# Altium PCB STM32F207VC.PcbDoc (part 2 of 16) (continued)
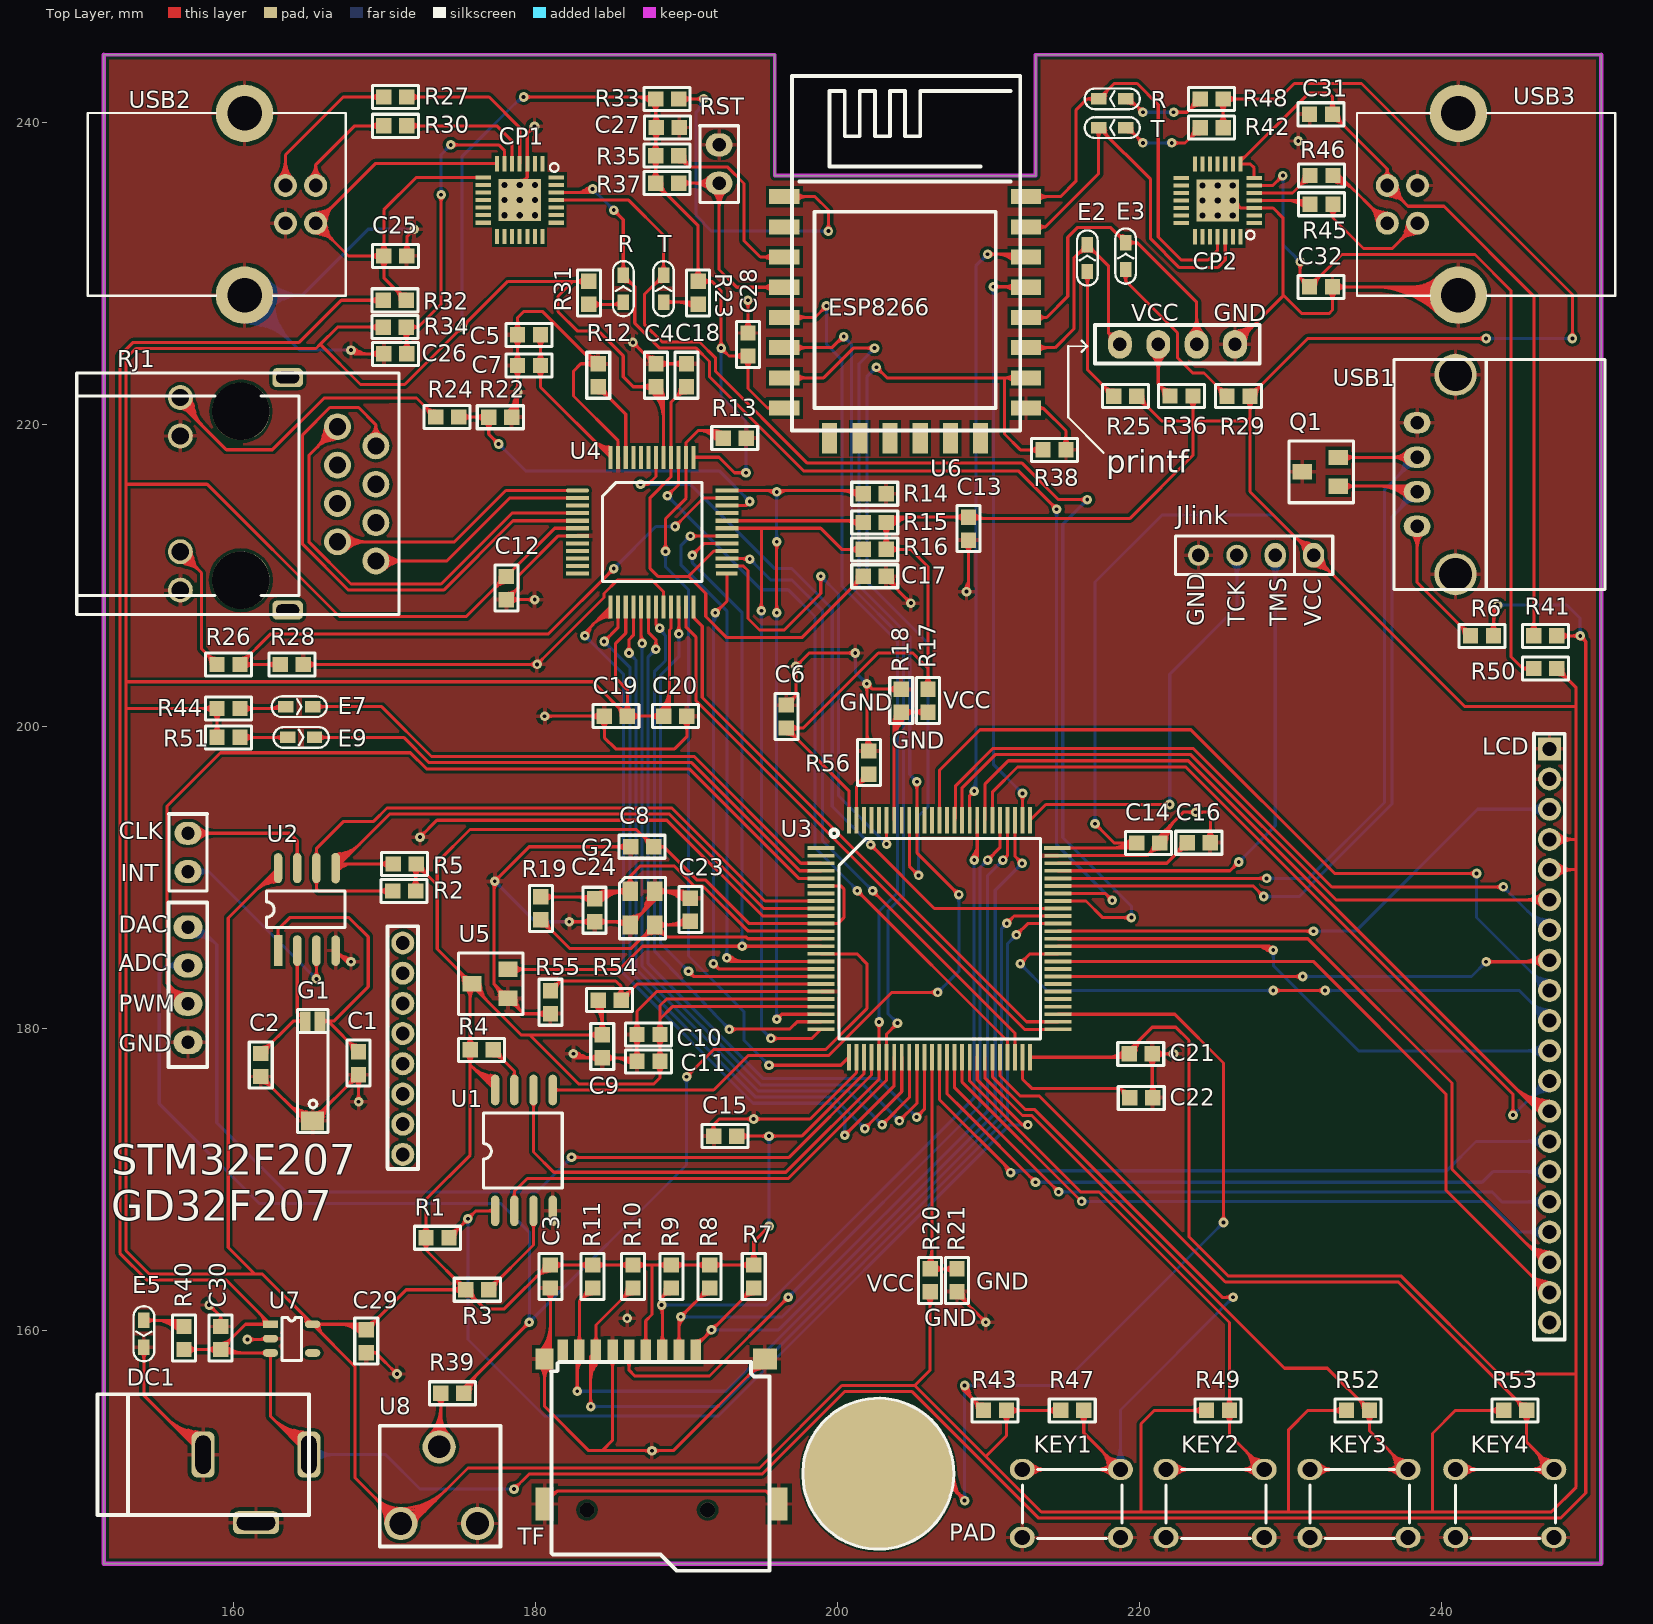
[diagram p0: Top Layer view]
## Nets (pads, with @x,y where several pads share a name; then routed paths per layer and width w, separated by ;. In a path a pad name is that pad's centre, name@x,y a point inside that pad or via, vN(x,y) a via of type N, cw(c..) or ccw(c..) an arc to the next point about the centre after c; other vN are vias at no path point) (continued)
ETH_CRS: R14.2 U3.23 U4.36 | length 88.7
  Top Layer w0.203: U4.36@192.668,215.612 v1@195.961,215.612 ; v1(195.961,180.594) 196.295,180.928 ; v1(195.961,207.518) v1(195.961,212.217) ; v1(195.961,215.519) v1@195.961,215.612 ; U3.23@198.895,180.928 196.295,180.928 ; 195.215,215.612 cw(c195.215,214.773) v1@195.808,215.366 ; 195.215,215.612 cw(c195.215,214.773) v1@195.808,215.366 ; 195.215,215.612 cw(c195.215,214.773) v1@195.808,215.366 ; 195.215,215.612 cw(c195.215,214.773) v1@195.808,215.366 ; v1@195.808,207.671 ccw(c195.44,208.039) 195.961,208.039 ; v1@195.808,207.671 ccw(c195.44,208.039) 195.961,208.039 ; v1@195.808,207.671 ccw(c195.44,208.039) 195.961,208.039 ; v1@195.808,207.671 ccw(c195.44,208.039) 195.961,208.039 ; v1@195.808,212.064 cw(c195.44,211.696) 195.961,211.696 ; v1@195.808,212.064 cw(c195.44,211.696) 195.961,211.696 ; v1@195.808,212.064 cw(c195.44,211.696) 195.961,211.696 ; v1@195.808,212.064 cw(c195.44,211.696) 195.961,211.696 ; 195.961,208.039 ccw(c196.482,208.039) v1@196.114,207.671 ; 195.961,208.039 ccw(c196.482,208.039) v1@196.114,207.671 ; 195.961,208.039 ccw(c196.482,208.039) v1@196.114,207.671 ; 195.961,208.039 ccw(c196.482,208.039) v1@196.114,207.671 ; 195.961,211.696 cw(c196.482,211.696) v1@196.114,212.064 ; 195.961,211.696 cw(c196.482,211.696) v1@196.114,212.064 ; 195.961,211.696 cw(c196.482,211.696) v1@196.114,212.064 ; 195.961,211.696 cw(c196.482,211.696) v1@196.114,212.064 ; v1@195.961,215.612 201.479,215.612 R14.2@201.693,215.398 ; v1@195.977,180.809 ccw(c196.006,181.217) 196.295,180.928 ; v1@195.977,180.809 ccw(c196.006,181.217) 196.295,180.928 ; v1@195.977,180.809 ccw(c196.006,181.217) 196.295,180.928 ; v1@195.977,180.809 ccw(c196.006,181.217) 196.295,180.928 ; v1@196.114,215.366 cw(c196.707,214.773) 196.707,215.612 ; v1@196.114,215.366 cw(c196.707,214.773) 196.707,215.612 ; v1@196.114,215.366 cw(c196.707,214.773) 196.707,215.612 ; v1@196.114,215.366 cw(c196.707,214.773) 196.707,215.612 ; v1@196.176,180.61 cw(c196.584,180.639) 196.295,180.928 ; v1@196.176,180.61 cw(c196.584,180.639) 196.295,180.928 ; v1@196.176,180.61 cw(c196.584,180.639) 196.295,180.928 ; v1@196.176,180.61 cw(c196.584,180.639) 196.295,180.928 ; 200.195,215.612 cw(c200.195,213.9) R14.2@201.406,215.111 ; 200.195,215.612 cw(c200.195,213.9) R14.2@201.406,215.111 ; 200.195,215.612 cw(c200.195,213.9) R14.2@201.406,215.111 ; 200.195,215.612 cw(c200.195,213.9) R14.2@201.406,215.111 ; 200.686,215.612 cw(c200.686,214.39) R14.2@201.55,215.254 ; 200.686,215.612 cw(c200.686,214.39) R14.2@201.55,215.254 ; 200.686,215.612 cw(c200.686,214.39) R14.2@201.55,215.254 ; 200.686,215.612 cw(c200.686,214.39) R14.2@201.55,215.254 ; 201.156,215.482 cw(c201,215.212) R14.2@201.301,215.293 ; 201.156,215.482 cw(c201,215.212) R14.2@201.301,215.293 ; 201.156,215.482 cw(c201,215.212) R14.2@201.301,215.293 ; 201.156,215.482 cw(c201,215.212) R14.2@201.301,215.293 ; 201.156,215.482 cw(c201,215.212) R14.2@201.301,215.293 ; 201.156,215.482 cw(c201,215.212) R14.2@201.301,215.293 ; 201.176,215.612 cw(c201.176,214.881) R14.2@201.693,215.398 ; 201.176,215.612 cw(c201.176,214.881) R14.2@201.693,215.398 ; 201.176,215.612 cw(c201.176,214.881) R14.2@201.693,215.398 ; 201.176,215.612 cw(c201.176,214.881) R14.2@201.693,215.398 ; R14.2@201.229,215.612 ccw(c201.229,215.862) R14.2@201.406,215.685 ; R14.2@201.229,215.612 ccw(c201.229,215.862) R14.2@201.406,215.685 ; R14.2@201.229,215.612 ccw(c201.229,215.862) R14.2@201.406,215.685 ; R14.2@201.229,215.612 ccw(c201.229,215.862) R14.2@201.406,215.685
  Bottom Layer w0.203: v1(195.961,180.594) v1(195.961,207.518) ; v1(195.961,212.217) v1(195.961,215.519) ; v1@195.808,180.747 ccw(c195.44,181.115) 195.961,181.115 ; v1@195.808,180.747 ccw(c195.44,181.115) 195.961,181.115 ; v1@195.808,180.747 ccw(c195.44,181.115) 195.961,181.115 ; v1@195.808,180.747 ccw(c195.44,181.115) 195.961,181.115 ; v1@195.808,207.365 cw(c195.44,206.997) 195.961,206.997 ; v1@195.808,207.365 cw(c195.44,206.997) 195.961,206.997 ; v1@195.808,207.365 cw(c195.44,206.997) 195.961,206.997 ; v1@195.808,207.365 cw(c195.44,206.997) 195.961,206.997 ; v1@195.808,212.37 ccw(c195.44,212.738) 195.961,212.738 ; v1@195.808,212.37 ccw(c195.44,212.738) 195.961,212.738 ; v1@195.808,212.37 ccw(c195.44,212.738) 195.961,212.738 ; v1@195.808,212.37 ccw(c195.44,212.738) 195.961,212.738 ; v1@195.808,215.366 cw(c195.44,214.998) 195.961,214.998 ; v1@195.808,215.366 cw(c195.44,214.998) 195.961,214.998 ; v1@195.808,215.366 cw(c195.44,214.998) 195.961,214.998 ; v1@195.808,215.366 cw(c195.44,214.998) 195.961,214.998 ; 195.961,181.115 ccw(c196.482,181.115) v1@196.114,180.747 ; 195.961,181.115 ccw(c196.482,181.115) v1@196.114,180.747 ; 195.961,181.115 ccw(c196.482,181.115) v1@196.114,180.747 ; 195.961,181.115 ccw(c196.482,181.115) v1@196.114,180.747 ; 195.961,206.997 cw(c196.482,206.997) v1@196.114,207.365 ; 195.961,206.997 cw(c196.482,206.997) v1@196.114,207.365 ; 195.961,206.997 cw(c196.482,206.997) v1@196.114,207.365 ; 195.961,206.997 cw(c196.482,206.997) v1@196.114,207.365 ; 195.961,212.738 ccw(c196.482,212.738) v1@196.114,212.37 ; 195.961,212.738 ccw(c196.482,212.738) v1@196.114,212.37 ; 195.961,212.738 ccw(c196.482,212.738) v1@196.114,212.37 ; 195.961,212.738 ccw(c196.482,212.738) v1@196.114,212.37 ; 195.961,214.998 cw(c196.482,214.998) v1@196.114,215.366 ; 195.961,214.998 cw(c196.482,214.998) v1@196.114,215.366 ; 195.961,214.998 cw(c196.482,214.998) v1@196.114,215.366 ; 195.961,214.998 cw(c196.482,214.998) v1@196.114,215.366
ETH_MDC: U3.16 U4.30 | length 65
  Top Layer w0.203: v1(190.246,212.598) 192.654,212.598 U4.30@192.668,212.612 ; v1(192.659,184.658) 192.889,184.428 ; U3.16@198.895,184.428 192.889,184.428 ; v1@190.399,212.445 cw(c190.767,212.077) 190.767,212.598 ; v1@190.399,212.445 cw(c190.767,212.077) 190.767,212.598 ; v1@190.399,212.445 cw(c190.767,212.077) 190.767,212.598 ; v1@190.399,212.445 cw(c190.767,212.077) 190.767,212.598 ; v1@190.399,212.751 ccw(c190.767,213.119) 190.767,212.598 ; v1@190.399,212.751 ccw(c190.767,213.119) 190.767,212.598 ; v1@190.399,212.751 ccw(c190.767,213.119) 190.767,212.598 ; v1@190.399,212.751 ccw(c190.767,213.119) 190.767,212.598 ; v1@192.667,184.648 cw(c192.876,184.395) 193.039,184.679 ; v1@192.667,184.648 cw(c192.876,184.395) 193.039,184.679 ; v1@192.667,184.648 cw(c192.876,184.395) 193.039,184.679 ; v1@192.667,184.648 cw(c192.876,184.395) 193.039,184.679 ; v1@192.667,184.648 cw(c192.876,184.395) 193.039,184.679 ; v1@192.667,184.648 cw(c192.876,184.395) 193.039,184.679 ; v1@192.668,184.667 ccw(c193.245,185.244) 193.245,184.428 ; v1@192.668,184.667 ccw(c193.245,185.244) 193.245,184.428 ; v1@192.668,184.667 ccw(c193.245,185.244) 193.245,184.428 ; v1@192.668,184.667 ccw(c193.245,185.244) 193.245,184.428 ; v1@192.74,184.458 cw(c192.792,184.331) 192.889,184.428 ; v1@192.74,184.458 cw(c192.792,184.331) 192.889,184.428 ; v1@192.74,184.458 cw(c192.792,184.331) 192.889,184.428 ; v1@192.74,184.458 cw(c192.792,184.331) 192.889,184.428 ; v1@192.758,184.466 cw(c192.887,184.215) 193.028,184.459 ; v1@192.758,184.466 cw(c192.887,184.215) 193.028,184.459 ; v1@192.758,184.466 cw(c192.887,184.215) 193.028,184.459 ; v1@192.758,184.466 cw(c192.887,184.215) 193.028,184.459 ; v1@192.758,184.466 cw(c192.887,184.215) 193.028,184.459 ; v1@192.758,184.466 cw(c192.887,184.215) 193.028,184.459 ; v1@192.796,184.491 cw(c193.074,184.154) 193.293,184.533 ; v1@192.796,184.491 cw(c193.074,184.154) 193.293,184.533 ; v1@192.796,184.491 cw(c193.074,184.154) 193.293,184.533 ; v1@192.796,184.491 cw(c193.074,184.154) 193.293,184.533 ; v1@192.796,184.491 cw(c193.074,184.154) 193.293,184.533 ; v1@192.796,184.491 cw(c193.074,184.154) 193.293,184.533 ; v1@192.812,184.811 ccw(c193.736,185.735) 193.736,184.428 ; v1@192.812,184.811 ccw(c193.736,185.735) 193.736,184.428 ; v1@192.812,184.811 ccw(c193.736,185.735) 193.736,184.428 ; v1@192.812,184.811 ccw(c193.736,185.735) 193.736,184.428 ; v1@192.859,184.577 ccw(c192.986,184.525) 192.889,184.428 ; v1@192.859,184.577 ccw(c192.986,184.525) 192.889,184.428 ; v1@192.859,184.577 ccw(c192.986,184.525) 192.889,184.428 ; v1@192.859,184.577 ccw(c192.986,184.525) 192.889,184.428 ; v1@192.873,184.688 ccw(c193.186,184.733) 193.028,184.459 ; v1@192.873,184.688 ccw(c193.186,184.733) 193.028,184.459 ; v1@192.873,184.688 ccw(c193.186,184.733) 193.028,184.459 ; v1@192.873,184.688 ccw(c193.186,184.733) 193.028,184.459 ; v1@192.873,184.688 ccw(c193.186,184.733) 193.028,184.459 ; v1@192.873,184.688 ccw(c193.186,184.733) 193.028,184.459
  Bottom Layer w0.203: v1(190.246,212.598) 189.611,211.963 189.611,210.693 192.659,207.645 v1(192.659,184.658) ; 189.877,212.229 cw(c190.246,211.861) v1@190.246,212.382 ; 189.877,212.229 ccw(c189.509,212.598) v1@190.03,212.598 ; 189.877,212.229 cw(c190.246,211.861) v1@190.246,212.382 ; 189.877,212.229 ccw(c189.509,212.598) v1@190.03,212.598 ; 189.877,212.229 ccw(c189.509,212.598) v1@190.03,212.598 ; 189.877,212.229 cw(c190.246,211.861) v1@190.246,212.382 ; 189.877,212.229 ccw(c189.509,212.598) v1@190.03,212.598 ; 189.877,212.229 cw(c190.246,211.861) v1@190.246,212.382 ; v1@192.506,184.811 ccw(c192.138,185.179) 192.659,185.179 ; v1@192.506,184.811 ccw(c192.138,185.179) 192.659,185.179 ; v1@192.506,184.811 ccw(c192.138,185.179) 192.659,185.179 ; v1@192.506,184.811 ccw(c192.138,185.179) 192.659,185.179 ; 192.659,185.179 ccw(c193.18,185.179) v1@192.812,184.811 ; 192.659,185.179 ccw(c193.18,185.179) v1@192.812,184.811 ; 192.659,185.179 ccw(c193.18,185.179) v1@192.812,184.811 ; 192.659,185.179 ccw(c193.18,185.179) v1@192.812,184.811
ETH_MDIO: R16.2 U3.25 U4.31 | length 66.5
  Top Layer w0.203: U4.31@192.668,213.112 194.945,213.112 ; v1(194.945,207.645) 194.945,213.112 ; v1(195.58,179.324) 198.291,179.324 U3.25@198.895,179.928 ; R16.2@201.693,211.715 200.273,211.715 198.876,213.112 194.945,213.112 ; v1@194.792,207.798 ccw(c194.424,208.166) 194.945,208.166 ; v1@194.792,207.798 ccw(c194.424,208.166) 194.945,208.166 ; v1@194.792,207.798 ccw(c194.424,208.166) 194.945,208.166 ; v1@194.792,207.798 ccw(c194.424,208.166) 194.945,208.166 ; 194.945,208.166 ccw(c195.466,208.166) v1@195.098,207.798 ; 194.945,208.166 ccw(c195.466,208.166) v1@195.098,207.798 ; 194.945,208.166 ccw(c195.466,208.166) v1@195.098,207.798 ; 194.945,208.166 ccw(c195.466,208.166) v1@195.098,207.798 ; v1@195.733,179.171 cw(c196.101,178.803) 196.101,179.324 ; v1@195.733,179.171 cw(c196.101,178.803) 196.101,179.324 ; v1@195.733,179.171 cw(c196.101,178.803) 196.101,179.324 ; v1@195.733,179.171 cw(c196.101,178.803) 196.101,179.324 ; v1@195.733,179.477 ccw(c196.101,179.845) 196.101,179.324 ; v1@195.733,179.477 ccw(c196.101,179.845) 196.101,179.324 ; v1@195.733,179.477 ccw(c196.101,179.845) 196.101,179.324 ; v1@195.733,179.477 ccw(c196.101,179.845) 196.101,179.324 ; 200.712,211.715 cw(c200.712,210.734) R16.2@201.406,211.428 ; 200.712,211.715 ccw(c200.712,212.696) R16.2@201.406,212.002 ; 200.712,211.715 cw(c200.712,210.734) R16.2@201.406,211.428 ; 200.712,211.715 ccw(c200.712,212.696) R16.2@201.406,212.002 ; 200.712,211.715 ccw(c200.712,212.696) R16.2@201.406,212.002 ; 200.712,211.715 cw(c200.712,210.734) R16.2@201.406,211.428 ; 200.712,211.715 ccw(c200.712,212.696) R16.2@201.406,212.002 ; 200.712,211.715 cw(c200.712,210.734) R16.2@201.406,211.428
  Bottom Layer w0.203: v1(194.945,207.645) 194.945,179.959 v1(195.58,179.324) ; v1@194.792,207.492 cw(c194.424,207.124) 194.945,207.124 ; v1@194.792,207.492 cw(c194.424,207.124) 194.945,207.124 ; v1@194.792,207.492 cw(c194.424,207.124) 194.945,207.124 ; v1@194.792,207.492 cw(c194.424,207.124) 194.945,207.124 ; 194.945,207.124 cw(c195.466,207.124) v1@195.098,207.492 ; 194.945,207.124 cw(c195.466,207.124) v1@195.098,207.492 ; 194.945,207.124 cw(c195.466,207.124) v1@195.098,207.492 ; 194.945,207.124 cw(c195.466,207.124) v1@195.098,207.492 ; 195.211,179.693 cw(c194.843,179.324) v1@195.364,179.324 ; 195.211,179.693 ccw(c195.58,180.061) v1@195.58,179.54 ; 195.211,179.693 cw(c194.843,179.324) v1@195.364,179.324 ; 195.211,179.693 ccw(c195.58,180.061) v1@195.58,179.54 ; 195.211,179.693 ccw(c195.58,180.061) v1@195.58,179.54 ; 195.211,179.693 cw(c194.843,179.324) v1@195.364,179.324 ; 195.211,179.693 ccw(c195.58,180.061) v1@195.58,179.54 ; 195.211,179.693 cw(c194.843,179.324) v1@195.364,179.324
ETH_RX_CLK: U3.24 U4.19 | length 47.1
  Top Layer w0.203: U4.19@187.965,207.909 187.965,206.751 ; v1(188.214,206.502) 187.965,206.751 ; v1(192.825,179.92) 192.851,179.946 196.837,179.946 197.319,180.428 U3.24@198.895,180.428 ; 187.965,206.751 cw(c187.839,206.624) v1@188.009,206.569 ; 187.965,206.751 ccw(c188.092,206.877) v1@188.147,206.707 ; 187.965,206.751 cw(c187.839,206.624) v1@188.009,206.569 ; 187.965,206.751 ccw(c188.092,206.877) v1@188.147,206.707 ; 187.965,206.751 ccw(c188.092,206.877) v1@188.147,206.707 ; 187.965,206.751 cw(c187.839,206.624) v1@188.009,206.569 ; 187.965,206.751 ccw(c188.092,206.877) v1@188.147,206.707 ; 187.965,206.751 cw(c187.839,206.624) v1@188.009,206.569 ; v1@192.978,179.767 cw(c193.41,179.335) 193.41,179.946 ; v1@192.978,179.767 cw(c193.41,179.335) 193.41,179.946 ; v1@192.978,179.767 cw(c193.41,179.335) 193.41,179.946 ; v1@192.978,179.767 cw(c193.41,179.335) 193.41,179.946 ; v1@192.978,180.073 ccw(c193.283,180.378) 193.283,179.946 ; v1@192.978,180.073 ccw(c193.283,180.378) 193.283,179.946 ; v1@192.978,180.073 ccw(c193.283,180.378) 193.283,179.946 ; v1@192.978,180.073 ccw(c193.283,180.378) 193.283,179.946
  Bottom Layer w0.203: v1(188.214,206.502) 188.214,206.375 188.595,205.994 ; v1(192.825,179.92) 187.858,185.141 187.858,203.606 188.595,204.343 188.595,205.994 ; v1@188.428,206.476 ccw(c189.007,206.406) 188.595,205.994 ; v1@188.428,206.476 ccw(c189.007,206.406) 188.595,205.994 ; v1@188.428,206.476 ccw(c189.007,206.406) 188.595,205.994 ; v1@188.428,206.476 ccw(c189.007,206.406) 188.595,205.994 ; 192.466,180.298 cw(c192.088,179.938) v1@192.609,179.925 ; 192.466,180.298 ccw(c192.843,180.657) v1@192.83,180.136 ; 192.466,180.298 cw(c192.088,179.938) v1@192.609,179.925 ; 192.466,180.298 ccw(c192.843,180.657) v1@192.83,180.136 ; 192.466,180.298 ccw(c192.843,180.657) v1@192.83,180.136 ; 192.466,180.298 cw(c192.088,179.938) v1@192.609,179.925 ; 192.466,180.298 ccw(c192.843,180.657) v1@192.83,180.136 ; 192.466,180.298 cw(c192.088,179.938) v1@192.609,179.925
ETH_RX_DV: U3.32 U4.13 | length 91.1
  Top Layer w0.203: v1(183.261,205.994) 183.261,206.205 U4.13@184.965,207.909 ; 184.785,207.381 cw(c184.721,207.141) U4.13@184.936,207.265 ; v1(200.469,172.91) 203.745,176.186 U3.32@203.745,178.078 ; v1@183.255,206.005 ccw(c182.96,206.587) 183.591,206.419 ; v1@183.255,206.005 ccw(c182.96,206.587) 183.591,206.419 ; v1@183.255,206.005 ccw(c182.96,206.587) 183.591,206.419 ; v1@183.255,206.005 ccw(c182.96,206.587) 183.591,206.419 ; v1@183.255,206.005 ccw(c182.96,206.587) 183.591,206.419 ; v1@183.274,205.994 cw(c183.814,205.994) 183.432,206.376 ; v1@183.274,205.994 cw(c183.814,205.994) 183.432,206.376 ; v1@183.274,205.994 cw(c183.814,205.994) 183.432,206.376 ; v1@183.274,205.994 cw(c183.814,205.994) 183.432,206.376 ; v1@183.477,205.994 cw(c184.507,205.994) 183.779,206.723 ; v1@183.477,205.994 cw(c184.507,205.994) 183.779,206.723 ; v1@183.477,205.994 cw(c184.507,205.994) 183.779,206.723 ; v1@183.477,205.994 cw(c184.507,205.994) 183.779,206.723 ; 183.508,206.232 ccw(c183.611,206.116) 183.465,206.065 cw(c183.611,206.116) 183.508,206.232 ; 183.508,206.232 cw(c183.392,206.361) 183.333,206.197 ccw(c183.392,206.361) 183.508,206.232 ; 183.838,206.782 cw(c184.965,205.654) U4.13@184.965,207.249 ; 183.838,206.782 cw(c184.965,205.654) U4.13@184.965,207.249 ; 183.838,206.782 cw(c184.965,205.654) U4.13@184.965,207.249 ; 183.838,206.782 cw(c184.965,205.654) U4.13@184.965,207.249 ; 184.185,207.129 cw(c184.965,206.348) U4.13@184.965,207.452 ; 184.185,207.129 cw(c184.965,206.348) U4.13@184.965,207.452 ; 184.185,207.129 cw(c184.965,206.348) U4.13@184.965,207.452 ; 184.185,207.129 cw(c184.965,206.348) U4.13@184.965,207.452 ; 184.532,207.476 cw(c184.965,207.042) U4.13@184.965,207.655 ; 184.532,207.476 cw(c184.965,207.042) U4.13@184.965,207.655 ; 184.532,207.476 cw(c184.965,207.042) U4.13@184.965,207.655 ; 184.532,207.476 cw(c184.965,207.042) U4.13@184.965,207.655 ; 184.688,207.378 cw(c184.744,207.17) U4.13@184.935,207.267 ; 184.688,207.378 cw(c184.688,207.048) U4.13@184.94,207.261 ; 184.688,207.378 cw(c184.744,207.17) U4.13@184.935,207.267 ; 184.688,207.378 cw(c184.744,207.17) U4.13@184.935,207.267 ; 184.688,207.378 cw(c184.688,207.048) U4.13@184.94,207.261 ; 184.688,207.378 cw(c184.744,207.17) U4.13@184.935,207.267 ; 184.688,207.378 cw(c184.688,207.048) U4.13@184.94,207.261 ; 184.688,207.378 cw(c184.744,207.17) U4.13@184.935,207.267 ; 184.688,207.378 cw(c184.688,207.048) U4.13@184.94,207.261 ; 184.688,207.378 cw(c184.744,207.17) U4.13@184.935,207.267 ; 184.799,207.378 cw(c184.799,207.24) U4.13@184.933,207.274 ; 184.799,207.378 cw(c184.799,207.24) U4.13@184.933,207.274 ; 184.799,207.378 cw(c184.799,207.24) U4.13@184.933,207.274 ; 184.799,207.378 cw(c184.799,207.24) U4.13@184.933,207.274 ; 184.818,207.213 ccw(c184.773,207.4) U4.13@184.937,207.3 ; 184.818,207.213 ccw(c184.773,207.4) U4.13@184.937,207.3 ; 184.818,207.213 ccw(c184.773,207.4) U4.13@184.937,207.3 ; 184.818,207.213 ccw(c184.773,207.4) U4.13@184.937,207.3 ; 184.818,207.213 ccw(c184.773,207.4) U4.13@184.937,207.3 ; U4.13@184.879,207.822 cw(c184.965,207.736) U4.13@184.965,207.858 ; U4.13@184.879,207.822 cw(c184.965,207.736) U4.13@184.965,207.858 ; U4.13@184.879,207.822 cw(c184.965,207.736) U4.13@184.965,207.858 ; U4.13@184.879,207.822 cw(c184.965,207.736) U4.13@184.965,207.858 ; v1@200.467,172.923 ccw(c200.389,173.303) 200.764,173.202 ; v1@200.467,172.923 ccw(c200.389,173.303) 200.764,173.202 ; v1@200.467,172.923 ccw(c200.389,173.303) 200.764,173.202 ; v1@200.467,172.923 ccw(c200.389,173.303) 200.764,173.202 ; v1@200.467,172.923 ccw(c200.389,173.303) 200.764,173.202 ; v1@200.467,172.923 ccw(c200.389,173.303) 200.764,173.202 ; v1@200.469,173.126 ccw(c200.469,173.648) 200.838,173.279 ; v1@200.469,173.126 ccw(c200.469,173.648) 200.838,173.279 ; v1@200.469,173.126 ccw(c200.469,173.648) 200.838,173.279 ; v1@200.469,173.126 ccw(c200.469,173.648) 200.838,173.279 ; v1@200.482,172.908 cw(c200.862,172.83) 200.761,173.205 ; v1@200.482,172.908 cw(c200.862,172.83) 200.761,173.205 ; v1@200.482,172.908 cw(c200.862,172.83) 200.761,173.205 ; v1@200.482,172.908 cw(c200.862,172.83) 200.761,173.205 ; v1@200.482,172.908 cw(c200.862,172.83) 200.761,173.205 ; v1@200.482,172.908 cw(c200.862,172.83) 200.761,173.205 ; v1@200.685,172.91 cw(c201.207,172.91) 200.838,173.279 ; v1@200.685,172.91 cw(c201.207,172.91) 200.838,173.279 ; v1@200.685,172.91 cw(c201.207,172.91) 200.838,173.279 ; v1@200.685,172.91 cw(c201.207,172.91) 200.838,173.279
  Bottom Layer w0.203: v1(183.261,205.994) 185.826,203.429 185.826,183.604 194.399,175.031 199.552,175.031 200.469,174.114 v1(200.469,172.91) ; v1@183.261,205.778 cw(c183.261,205.257) 183.63,205.625 ; v1@183.261,205.778 cw(c183.261,205.257) 183.63,205.625 ; v1@183.261,205.778 cw(c183.261,205.257) 183.63,205.625 ; v1@183.261,205.778 cw(c183.261,205.257) 183.63,205.625 ; v1@183.477,205.994 ccw(c183.998,205.994) 183.63,205.625 ; v1@183.477,205.994 ccw(c183.998,205.994) 183.63,205.625 ; v1@183.477,205.994 ccw(c183.998,205.994) 183.63,205.625 ; v1@183.477,205.994 ccw(c183.998,205.994) 183.63,205.625 ; v1@200.317,173.063 ccw(c199.948,173.432) 200.469,173.432 ; v1@200.317,173.063 ccw(c199.948,173.432) 200.469,173.432 ; v1@200.317,173.063 ccw(c199.948,173.432) 200.469,173.432 ; v1@200.317,173.063 ccw(c199.948,173.432) 200.469,173.432 ; 200.469,173.432 ccw(c200.991,173.432) v1@200.622,173.063 ; 200.469,173.432 ccw(c200.991,173.432) v1@200.622,173.063 ; 200.469,173.432 ccw(c200.991,173.432) v1@200.622,173.063 ; 200.469,173.432 ccw(c200.991,173.432) v1@200.622,173.063
ETH_RX_ER: U3.47 U4.39 | length 73.8
  Top Layer w0.203: v1(188.722,215.265) 189.465,216.008 U4.39@189.465,217.815 ; v1(201.295,189.103) 211.245,179.153 U3.47@211.245,178.078 ; v1@188.719,215.277 ccw(c188.642,215.657) 189.016,215.557 ; v1@188.719,215.277 ccw(c188.642,215.657) 189.016,215.557 ; v1@188.719,215.277 ccw(c188.642,215.657) 189.016,215.557 ; v1@188.719,215.277 ccw(c188.642,215.657) 189.016,215.557 ; v1@188.719,215.277 ccw(c188.642,215.657) 189.016,215.557 ; v1@188.719,215.277 ccw(c188.642,215.657) 189.016,215.557 ; v1@188.722,215.481 ccw(c188.722,216.002) 189.091,215.634 ; v1@188.722,215.481 ccw(c188.722,216.002) 189.091,215.634 ; v1@188.722,215.481 ccw(c188.722,216.002) 189.091,215.634 ; v1@188.722,215.481 ccw(c188.722,216.002) 189.091,215.634 ; v1@188.734,215.262 cw(c189.114,215.185) 189.014,215.559 ; v1@188.734,215.262 cw(c189.114,215.185) 189.014,215.559 ; v1@188.734,215.262 cw(c189.114,215.185) 189.014,215.559 ; v1@188.734,215.262 cw(c189.114,215.185) 189.014,215.559 ; v1@188.734,215.262 cw(c189.114,215.185) 189.014,215.559 ; v1@188.734,215.262 cw(c189.114,215.185) 189.014,215.559 ; v1@188.938,215.265 cw(c189.459,215.265) 189.091,215.634 ; v1@188.938,215.265 cw(c189.459,215.265) 189.091,215.634 ; v1@188.938,215.265 cw(c189.459,215.265) 189.091,215.634 ; v1@188.938,215.265 cw(c189.459,215.265) 189.091,215.634 ; v1@201.292,189.091 cw(c201.215,188.711) 201.589,188.811 ; v1@201.292,189.091 cw(c201.215,188.711) 201.589,188.811 ; v1@201.292,189.091 cw(c201.215,188.711) 201.589,188.811 ; v1@201.292,189.091 cw(c201.215,188.711) 201.589,188.811 ; v1@201.292,189.091 cw(c201.215,188.711) 201.589,188.811 ; v1@201.292,189.091 cw(c201.215,188.711) 201.589,188.811 ; v1@201.295,188.887 cw(c201.295,188.366) 201.664,188.734 ; v1@201.295,188.887 cw(c201.295,188.366) 201.664,188.734 ; v1@201.295,188.887 cw(c201.295,188.366) 201.664,188.734 ; v1@201.295,188.887 cw(c201.295,188.366) 201.664,188.734 ; v1@201.307,189.106 ccw(c201.687,189.183) 201.587,188.809 ; v1@201.307,189.106 ccw(c201.687,189.183) 201.587,188.809 ; v1@201.307,189.106 ccw(c201.687,189.183) 201.587,188.809 ; v1@201.307,189.106 ccw(c201.687,189.183) 201.587,188.809 ; v1@201.307,189.106 ccw(c201.687,189.183) 201.587,188.809 ; v1@201.307,189.106 ccw(c201.687,189.183) 201.587,188.809 ; v1@201.511,189.103 ccw(c202.032,189.103) 201.664,188.734 ; v1@201.511,189.103 ccw(c202.032,189.103) 201.664,188.734 ; v1@201.511,189.103 ccw(c202.032,189.103) 201.664,188.734 ; v1@201.511,189.103 ccw(c202.032,189.103) 201.664,188.734
  Bottom Layer w0.203: v1(188.722,215.265) 194.945,209.042 196.723,209.042 198.501,207.264 198.501,191.947 v1@201.32,189.128 ; v1@188.722,215.049 cw(c188.722,214.528) 189.091,214.896 ; v1@188.722,215.049 cw(c188.722,214.528) 189.091,214.896 ; v1@188.722,215.049 cw(c188.722,214.528) 189.091,214.896 ; v1@188.722,215.049 cw(c188.722,214.528) 189.091,214.896 ; v1@188.938,215.265 ccw(c189.459,215.265) 189.091,214.896 ; v1@188.938,215.265 ccw(c189.459,215.265) 189.091,214.896 ; v1@188.938,215.265 ccw(c189.459,215.265) 189.091,214.896 ; v1@188.938,215.265 ccw(c189.459,215.265) 189.091,214.896 ; 200.891,189.557 cw(c200.437,189.103) v1@201.079,189.103 ; 200.891,189.557 cw(c200.437,189.103) v1@201.079,189.103 ; 200.891,189.557 cw(c200.437,189.103) v1@201.079,189.103 ; 200.891,189.557 cw(c200.437,189.103) v1@201.079,189.103 ; 201.012,189.436 ccw(c201.295,189.719) v1@201.295,189.319 ; 201.012,189.436 ccw(c201.295,189.719) v1@201.295,189.319 ; 201.012,189.436 ccw(c201.295,189.719) v1@201.295,189.319 ; 201.012,189.436 ccw(c201.295,189.719) v1@201.295,189.319
ETH_RXD0: U3.33 U4.14 | length 74.2
  Top Layer w0.203: v1(184.531,205.613) 185.465,206.547 U4.14@185.465,207.909 ; v1(201.803,173.355) 204.245,175.797 U3.33@204.245,178.078 ; v1@184.528,205.625 ccw(c184.451,206.005) 184.825,205.905 ; v1@184.528,205.625 ccw(c184.451,206.005) 184.825,205.905 ; v1@184.528,205.625 ccw(c184.451,206.005) 184.825,205.905 ; v1@184.528,205.625 ccw(c184.451,206.005) 184.825,205.905 ; v1@184.528,205.625 ccw(c184.451,206.005) 184.825,205.905 ; v1@184.528,205.625 ccw(c184.451,206.005) 184.825,205.905 ; v1@184.531,205.829 ccw(c184.531,206.35) 184.9,205.982 ; v1@184.531,205.829 ccw(c184.531,206.35) 184.9,205.982 ; v1@184.531,205.829 ccw(c184.531,206.35) 184.9,205.982 ; v1@184.531,205.829 ccw(c184.531,206.35) 184.9,205.982 ; v1@184.543,205.61 cw(c184.923,205.533) 184.823,205.907 ; v1@184.543,205.61 cw(c184.923,205.533) 184.823,205.907 ; v1@184.543,205.61 cw(c184.923,205.533) 184.823,205.907 ; v1@184.543,205.61 cw(c184.923,205.533) 184.823,205.907 ; v1@184.543,205.61 cw(c184.923,205.533) 184.823,205.907 ; v1@184.543,205.61 cw(c184.923,205.533) 184.823,205.907 ; v1@184.747,205.613 cw(c185.268,205.613) 184.9,205.982 ; v1@184.747,205.613 cw(c185.268,205.613) 184.9,205.982 ; v1@184.747,205.613 cw(c185.268,205.613) 184.9,205.982 ; v1@184.747,205.613 cw(c185.268,205.613) 184.9,205.982 ; v1@201.8,173.367 ccw(c201.723,173.747) 202.097,173.647 ; v1@201.8,173.367 ccw(c201.723,173.747) 202.097,173.647 ; v1@201.8,173.367 ccw(c201.723,173.747) 202.097,173.647 ; v1@201.8,173.367 ccw(c201.723,173.747) 202.097,173.647 ; v1@201.8,173.367 ccw(c201.723,173.747) 202.097,173.647 ; v1@201.8,173.367 ccw(c201.723,173.747) 202.097,173.647 ; v1@201.803,173.571 ccw(c201.803,174.092) 202.172,173.724 ; v1@201.803,173.571 ccw(c201.803,174.092) 202.172,173.724 ; v1@201.803,173.571 ccw(c201.803,174.092) 202.172,173.724 ; v1@201.803,173.571 ccw(c201.803,174.092) 202.172,173.724 ; v1@201.815,173.352 cw(c202.195,173.275) 202.095,173.649 ; v1@201.815,173.352 cw(c202.195,173.275) 202.095,173.649 ; v1@201.815,173.352 cw(c202.195,173.275) 202.095,173.649 ; v1@201.815,173.352 cw(c202.195,173.275) 202.095,173.649 ; v1@201.815,173.352 cw(c202.195,173.275) 202.095,173.649 ; v1@201.815,173.352 cw(c202.195,173.275) 202.095,173.649 ; v1@202.019,173.355 cw(c202.54,173.355) 202.172,173.724 ; v1@202.019,173.355 cw(c202.54,173.355) 202.172,173.724 ; v1@202.019,173.355 cw(c202.54,173.355) 202.172,173.724 ; v1@202.019,173.355 cw(c202.54,173.355) 202.172,173.724
  Bottom Layer w0.203: v1(184.531,205.613) 186.233,203.911 186.233,183.772 194.567,175.438 199.72,175.438 v1(201.803,173.355) ; v1@184.531,205.397 cw(c184.531,204.876) 184.9,205.244 ; v1@184.531,205.397 cw(c184.531,204.876) 184.9,205.244 ; v1@184.531,205.397 cw(c184.531,204.876) 184.9,205.244 ; v1@184.531,205.397 cw(c184.531,204.876) 184.9,205.244 ; v1@184.747,205.613 ccw(c185.268,205.613) 184.9,205.244 ; v1@184.747,205.613 ccw(c185.268,205.613) 184.9,205.244 ; v1@184.747,205.613 ccw(c185.268,205.613) 184.9,205.244 ; v1@184.747,205.613 ccw(c185.268,205.613) 184.9,205.244 ; 201.434,173.724 cw(c201.066,173.355) v1@201.587,173.355 ; 201.434,173.724 ccw(c201.803,174.092) v1@201.803,173.571 ; 201.434,173.724 cw(c201.066,173.355) v1@201.587,173.355 ; 201.434,173.724 ccw(c201.803,174.092) v1@201.803,173.571 ; 201.434,173.724 ccw(c201.803,174.092) v1@201.803,173.571 ; 201.434,173.724 cw(c201.066,173.355) v1@201.587,173.355 ; 201.434,173.724 ccw(c201.803,174.092) v1@201.803,173.571 ; 201.434,173.724 cw(c201.066,173.355) v1@201.587,173.355